# Altium PCB Holberton.PcbDoc (part 1 of 6) (continued)
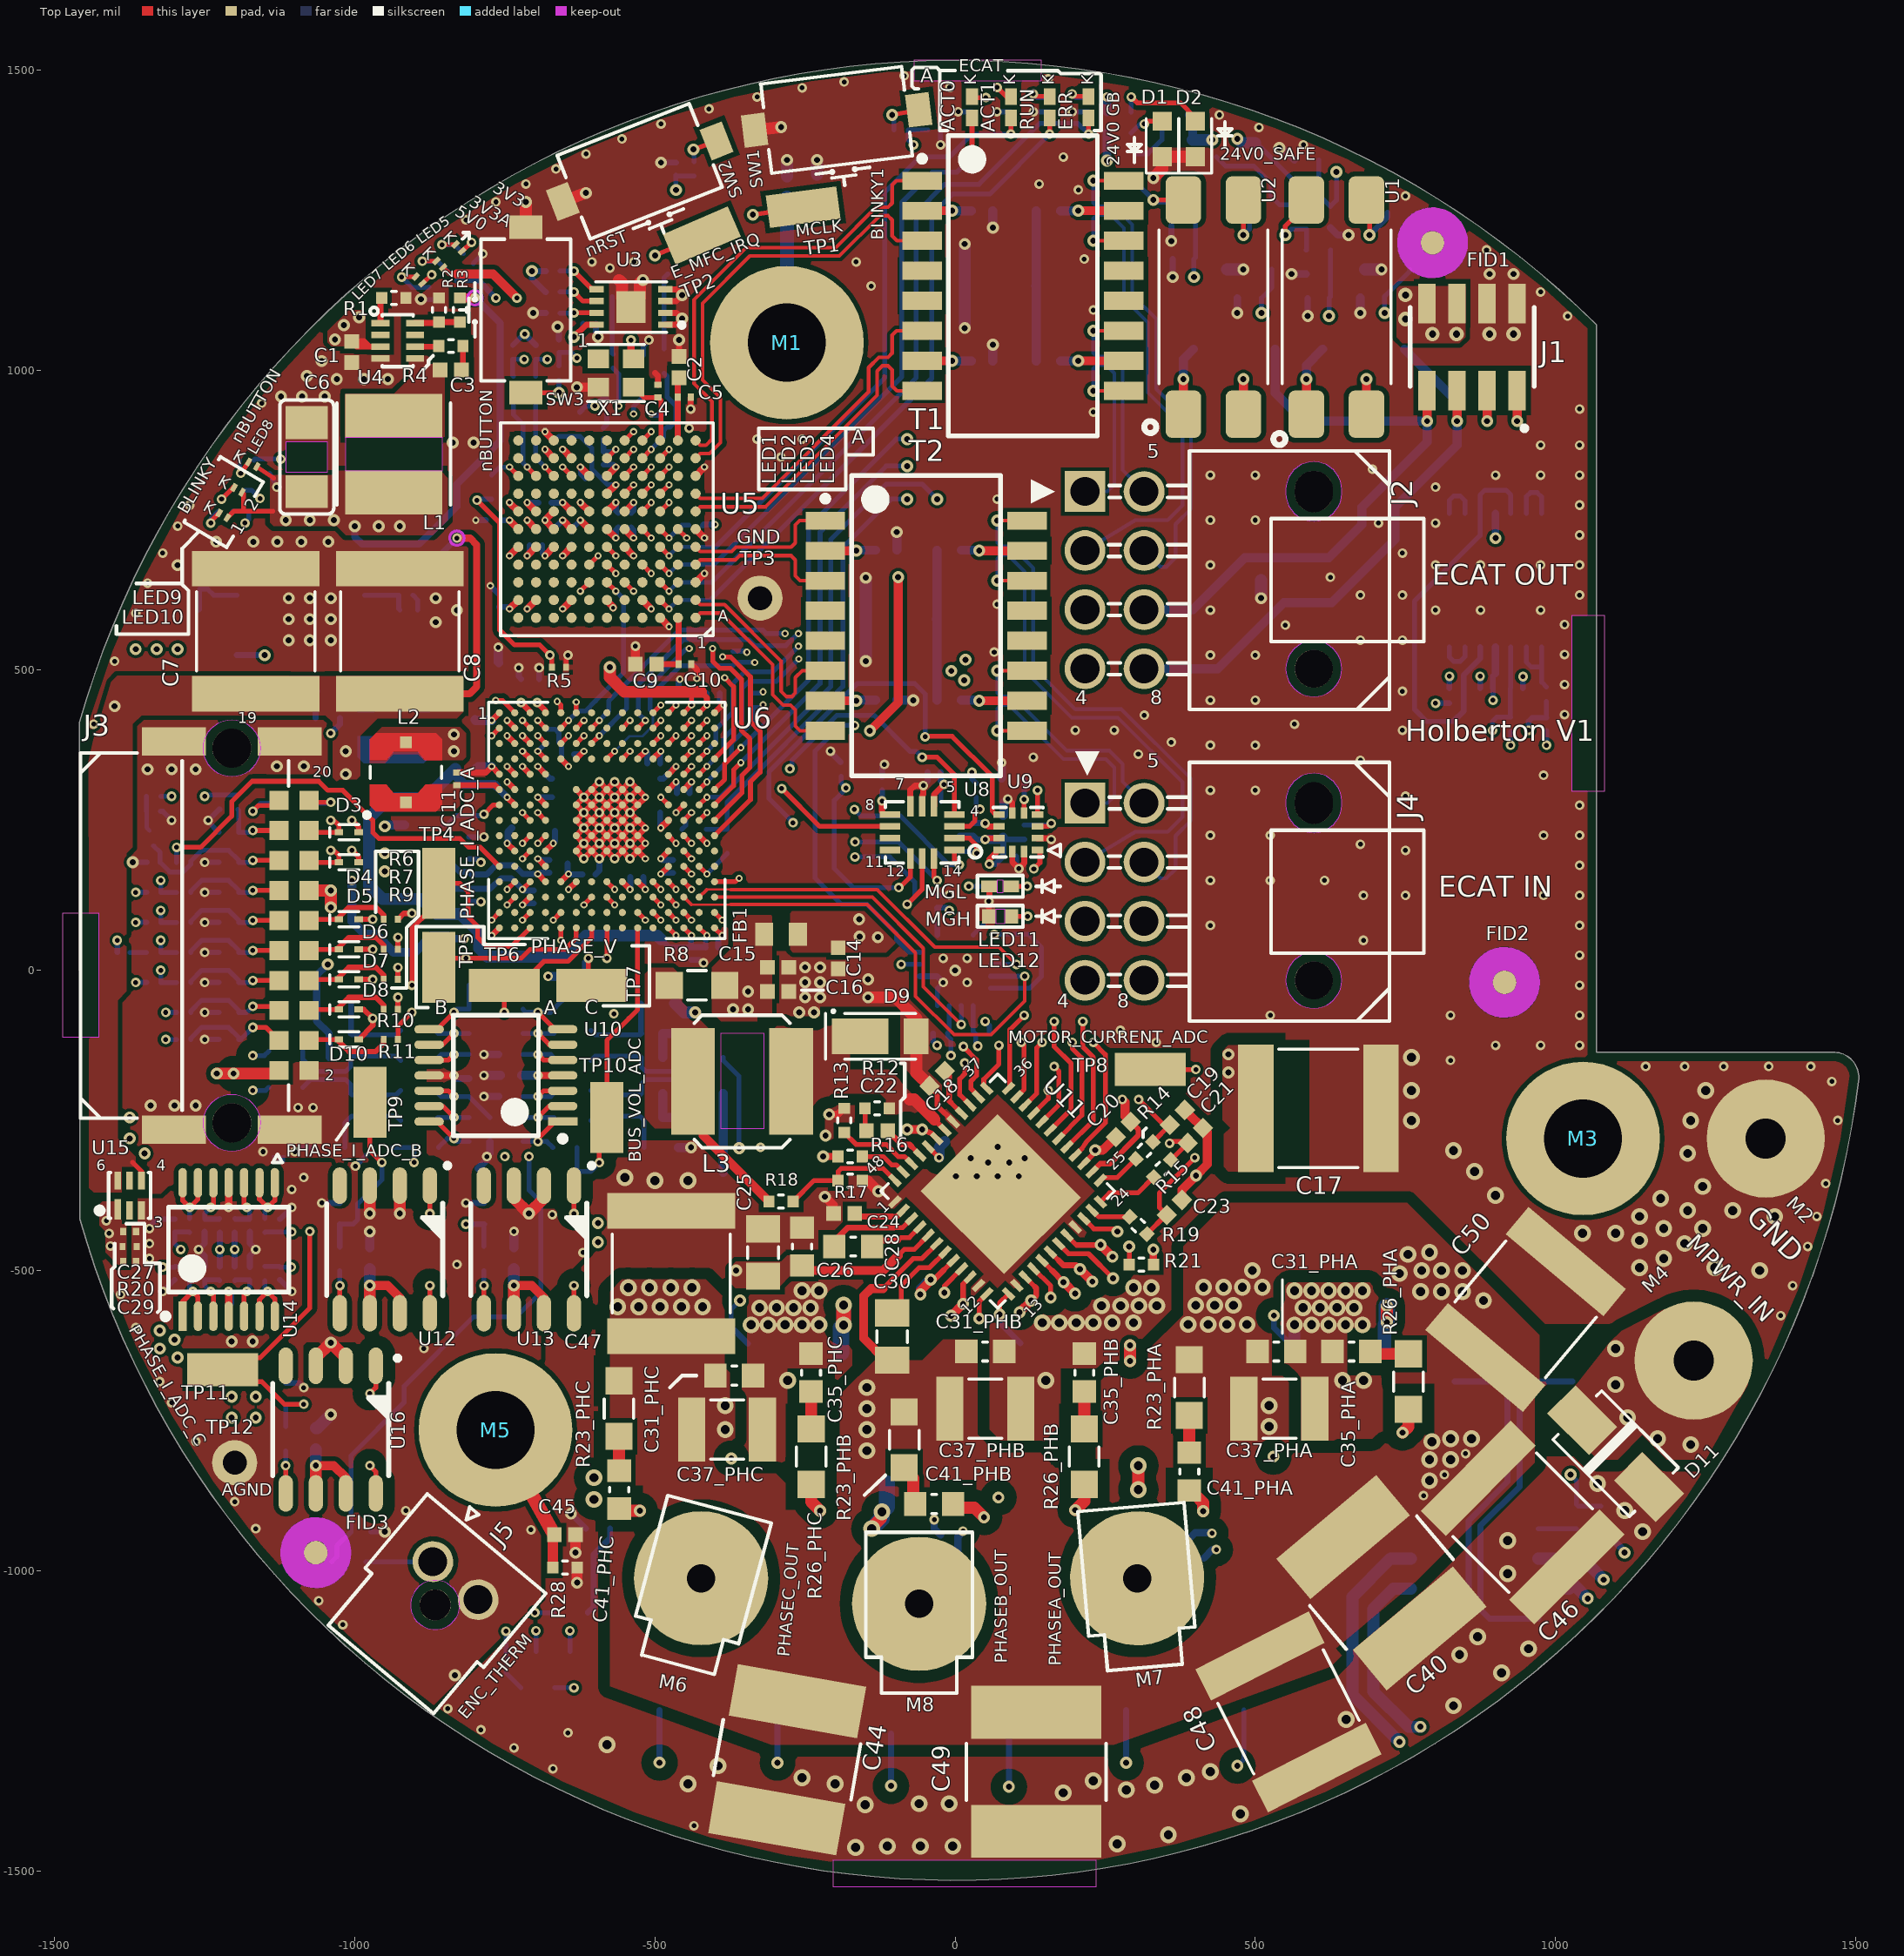
[diagram p0: Top Layer view]
## Classes and differential pairs
component class "Components Class6": C22 C24 C28 C149 C150 R16 R17 R18
component class "Components Class5": C134 C136 C138 C140 C141 C143 C147 R132 R134 R142 TP10
component class "Components Class4": C134 C136 C138 C140 C141 C143 C147 R127 R129 R132 R134 R137 TP10
component class "Components Class3": C134 C136 C138 C140 C141 C143 C147 R127 R128 R129 R132 R136 R137 R139 R140 R141 R144 TP10
component class "Components Class2": C134 C136 C138 C141 C143 C147
component class "Room Definition2": U5
component class "Components Class1": C22 C149 C150 C157 R106 R111 R119
component class "Room Definition1": U6
differential pair class 100Ohm: ECAT_R0 ECAT_R1 ECAT_T0 ECAT_T1 ECATPHY0_R ECATPHY0_T ECATPHY1_R ECATPHY1_T
net class SE100Ohm: ECAT_EEPROM_CLK ECAT_EEPROM_DATA
net class SE50Ohm: ECAT_PDI_CLK ECAT_PDI_MISO ECAT_PDI_MOSI
net class Diff100Ohm: ECAT_R0_N ECAT_R0_P ECAT_R1_N ECAT_R1_P ECAT_T0_N ECAT_T0_P ECAT_T1_N ECAT_T1_P ECATPHY0_R_N ECATPHY0_R_P ECATPHY0_T_N ECATPHY0_T_P ECATPHY1_R_N ECATPHY1_R_P ECATPHY1_T_N ECATPHY1_T_P
net class 24V: 24V0 NetC3_1 NetC3_2 NetC89_1 NetC89_2 NetR4_1 STO1 STO2
component class sto: C54 C56 C58 C65 C111 D1 D2 D3 Q1 Q2 Q3 Q4 Q5 R33 R34 R36 R37 R38 R39 R42 R43 R44 R46 R47 R51 R54 R55 R57 R58 R69 R70 R81 R86 R97 R147 R155 U1 U2
component class proc_support: C11 C62 C84 C87 C88 C92 C93 C95 C98 C99 C100 C103 C105 C106 C107 C108 C110 C111 C113 C114 C115 C116 C117 C118 C119 C121 C122 C124 C125 C128 C129 FB3 L2 L4
component class Mic: C126 R101 R104
component class mezz: C126 D24 FB5 J1 J2 J3 J5 LED11 LED12 R83 R101 R104 R122 R123 U19
component class mcu: C51 C52 C62 C77 C120 C131 C146 D3 D4 D5 D6 D7 D8 D10 D14 D15 D16 D17 D18 D19 D20 D21 D22 D23 D24 J3 LED5 LED8 LED9 LED10 Q5 R4 R5 R6 R7 R9 R10 R11 R35 R40 R61 R62 R67 R68 R70 R71 R72 R80 R88 R91 R92 R93 R94 R95 R97 R98 R100 R101 R102 R103 R105 R106 R108 R109 R110 R111 R119 R124 R153 SW1 SW2 SW3 U6
component class Holberton_Child: C14 C15 C116 C161 C162 C168 C169 C170 D11 D21 FB1 FB2 FB3 FB4 FB6 FB7 FB8 M2 M4 M6 M7 M8 PCB1_1 RT1 RT2 RT3
component class feedback: C127 C132 C134 C135 C136 C137 C138 C139 C140 C141 C142 C143 C144 C147 C148 C151 C152 C153 C154 C159 C160 C171 C172 R112 R114 R115 R116 R117 R118 R120 R121 R125 R126 R127 R128 R129 R130 R131 R132 R133 R134 R136 R137 R138 R139 R140 R141 R142 R143 R144 R145 R151 R152 R158 R160 R161 R162 TP4 TP5 TP6 TP7 TP9 TP10 TP11 U10 U12 U13 U16
component class driver: C3 C7 C16 C17 C18 C19 C20 C21 C22 C23 C24 C25 C26 C28 C30 C40 C44 C46 C47 C48 C49 C50 C85 C90 C101 C108 C145 C149 C150 C157 C165 C173 C174 D9 L3 R7 R8 R9 R11 R12 R13 R14 R15 R16 R17 R18 R19 R21 R88 R106 R110 R111 R119 R157 R159 TP8 U11 U20
component class Accelerometer: C45 C77 C102 C103 C104 C109 C112 C116 C123 C131 C167 R89 R91 R96 R99 U8 U9 U15
channel class HBridge: PHA PHB PHC
net class HV: MPWR MPWR_IN NetC35_PHA_2 NetC35_PHB_2 NetC35_PHC_2 NetC41_PHA_2 NetC41_PHB_2 NetC41_PHC_2 NetC141_2
net class HVSW: BST GD_CPH GD_CPL GD_VCP GHA GHB GHC NetC22_2 NetC136_1 NetC137_1 NetC142_2 PHASEA PHASEA_OUT PHASEB PHASEB_OUT PHASEC PHASEC_OUT SW
component class power: C1 C3 C6 C7 C8 C27 C29 C65 C68 C69 C77 C82 C83 C85 C86 C89 C93 C94 C97 C101 C111 C114 C115 C119 C122 C124 C125 C146 D3 D13 D22 L1 L4 LED5 LED6 LED7 NT1 R1 R2 R3 R4 R7 R20 R31 R41 R48 R49 R52 R53 R75 R76 R77 R78 R79 R83 R85 R86 R89 R104 R108 R122 R135 R146 U4 U5 U14 U15 U18
component class PHC: C31_PHC C35_PHC C37_PHC C41_PHC C98 C122 NT3_PHC Q8_PHC Q11_PHC R6 R23_PHC R26_PHC R93
component class PHB: C31_PHB C35_PHB C37_PHB C41_PHB C59 C71 C74 NT3_PHB Q8_PHB Q11_PHB R23_PHB R26_PHB R100 R109
component class PHA: C31_PHA C35_PHA C37_PHA C41_PHA C76 C81 NT3_PHA Q8_PHA Q11_PHA R23_PHA R26_PHA R102
component class ecat_conn: C6 C55 C57 C64 C79 C80 C94 C100 C105 C111 C118 C119 D12 D20 J2 J4 R45 R60 R61 R74 R84 T1 T2
component class ecat: C2 C3 C4 C5 C6 C7 C8 C9 C10 C27 C45 C59 C63 C65 C66 C67 C70 C71 C72 C73 C74 C75 C76 C77 C78 C81 C85 C86 C93 C94 C98 C100 C101 C103 C105 C108 C111 C114 C119 C122 C123 C131 C146 FB2 LED1 LED2 LED3 LED4 LED8 Q6 R1 R22 R24 R25 R27 R29 R30 R31 R32 R45 R50 R53 R56 R59 R60 R63 R64 R65 R66 R68 R69 R72 R73 R81 R83 R91 R92 R93 R95 R97 R98 R100 R101 R109 R147 R148 R149 R150 R153 R154 R155 R156 R163 TP1 TP2 TP3 TP12 U3 U5 U6 U14 U17 X1
component class temp: C9 C10 C45 C59 C63 C74 C76 C90 C91 C96 C100 C105 C114 C116 C120 C122 C123 C125 C131 C155 C156 C157 C158 C163 C164 C165 C166 C167 D22 R6 R9 R11 R41 R69 R81 R82 R85 R87 R88 R103 R105 R108 R110 R111 R119 R124 R147 R148 R149 R150 R153 R154 R155 R156 U14 U15 U17
component class 1-Holberton_TOP: C45 C53 C77 C108 C116 C118 C119 C123 C131 C146 D24 FB3 FB5 FID1 FID2 FID3 FID4 FID5 FID6 J3 M1 M3 M5 PCB100 R1 R28 R41 R60 R61 R92 R135 TP3 TP12
differential pair ECATPHY1_T: +ECATPHY1_T_P -ECATPHY1_T_N
differential pair ECATPHY1_R: +ECATPHY1_R_P -ECATPHY1_R_N
differential pair ECATPHY0_T: +ECATPHY0_T_P -ECATPHY0_T_N
differential pair ECATPHY0_R: +ECATPHY0_R_P -ECATPHY0_R_N
differential pair ECAT_T1: +ECAT_T1_P -ECAT_T1_N
differential pair ECAT_T0: +ECAT_T0_P -ECAT_T0_N
differential pair ECAT_R1: +ECAT_R1_P -ECAT_R1_N
differential pair ECAT_R0: +ECAT_R0_P -ECAT_R0_N

## Components (designator, comment, footprint, x,y, rotation, side; value= is the part's Value field where it differs from the comment)
C1 "__Template_Cap" C0402 -1005,1029.99 r270 top value=0.1UF
C2 "__Template_Cap" C0402 -460.01,1005 r90 top value=10UF
C3 "__Template_Cap" C0402 -840.01,999.99 r180 top value=0.1UF
C4 "__Template_Cap" C0201 -495.01,965 r90 top value=15PF
C5 "__Template_Cap_Auto" C0201 -451.26,955 r0 top value=0.1UF
C6 "22uF" C1206 -1080,855 r90 top
C7 "__Template_Cap_Auto" C2220 -1164.99,564.99 r90 top value=47uF
C8 "__Template_Cap_Auto" C2220 -924.99,564.99 r90 top value=47uF
C9 "__Template_Cap" C0402 -515,510 r0 top value=10UF
C10 "__Template_Cap_Auto" C0201 -450,509.99 r180 top value=0.1UF
C11 "__Template_Cap" C0201 -830.01,319 r90 top value=220PF
C14 "__Template_Cap" C0402 -195,19.99 r270 top value=0.1UF
C15 "__Template_Cap" C0402 -295,5 r0 top value=0.1UF
C16 "__Template_Cap" C0402 -295,-35 r0 top value=0.1UF
C17 "__Template_Cap" C2220 604.99,-230.01 r0 top value=15uF
C18 "__Template_Cap" C0402 -30,-180 r225 top value=1UF
C19 "__Template_Cap" C0402 370,-244.99 r45 top value=0.01UF
C20 "__Template_Cap" C0402 280,-265 r225 top value=0.1UF
C21 "__Template_Cap" C0402 400,-274.99 r45 top value=0.01UF
C22 "__Template_Cap" C0402 -130.01,-267 r180 top value=0.01UF
C23 "__Template_Cap" C0402 365,-394.99 r45 top value=0.01UF
C24 "__Template_Cap" C0402 -185.01,-405 r180 top value=1UF
C25 "__Template_Cap_Auto" C0805 -320,-470 r90 top value=1UF
C26 "__Template_Cap_Auto" C0603 -255,-460 r90 top value=0.1UF
C27 "__Template_Cap" C0201 -1375,-435 r0 top value=1UF
C28 "__Template_Cap" C0603 -170,-460 r180 top value=0.047µF
C29 "__Template_Cap_Auto" C0201 -1375,-485 r0 top value=0.1UF
C30 "__Template_Cap_Auto" C0805 -105,-610 r90 top value=1UF
C31_PHA "__Template_Cap_Auto" C0603 535.01,-635 r0 top value=0.1UF (schematic designator C31)
C31_PHB "__Template_Cap_Auto" C0603 50.01,-635 r0 top value=0.1UF (schematic designator C31)
C31_PHC "__Template_Cap_Auto" C0603 -367.99,-675 r0 top value=0.1UF (schematic designator C31)
C35_PHA "2.2nF" C0603 660.01,-635 r0 top (schematic designator C35)
C35_PHB "2.2nF" C0603 215,-670.01 r270 top (schematic designator C35)
C35_PHC "2.2nF" C0603 -240,-670.01 r270 top (schematic designator C35)
C37_PHA "4.7UF" C1210 539.99,-730.01 r0 top (schematic designator C37)
C37_PHB "4.7UF" C1210 49.99,-730.01 r0 top (schematic designator C37)
C37_PHC "4.7UF" C1210 -380.01,-765.01 r0 top (schematic designator C37)
C40 "__Template_Cap" CAP_CKG57NX7S2A226M500JJ 710,-1020 r310 top value=22uF
C41_PHA "1nF" C0603 390,-834.99 r90 top (schematic designator C41)
C41_PHB "1nF" C0603 -35,-889 r180 top (schematic designator C41)
C41_PHC "1nF" C0603 -559.5,-865 r90 top (schematic designator C41)
C44 "__Template_Cap" CAP_CKG57NX7S2A226M500JJ -280,-1315 r260 top value=22uF
C45 "__Template_Cap" C0402 -650,-940 r0 top value=0.01UF
C46 "__Template_Cap" C2220 945,-920 r315 top value=15uF
C47 "__Template_Cap" C2220 -473,-505 r90 top value=15uF
C48 "__Template_Cap" C2220 555,-1235 r297 top value=15uF
C49 "__Template_Cap" CAP_CKG57NX7S2A226M500JJ 135,-1335 r270 top value=22uF
C50 "__Template_Cap" C2220 950,-565 r50 top value=15uF
C51 "__Template_Cap_Auto" C0201 -35,1400 r0 bottom value=0.1UF
C52 "__Template_Cap_Auto" C0201 -465,1335 r90 bottom value=0.1UF
C53 "__Template_Cap" C0402 -280,1305 r90 bottom value=0.01UF
C54 "__Template_Cap" C0402 625,1254.99 r270 bottom value=0.1UF
C55 "__Template_Cap" C0402 45,1264.99 r0 bottom value=0.01UF
C56 "__Template_Cap" C0402 379.99,1185 r180 bottom value=0.01UF
C57 "__Template_Cap_Auto" C1210 75.01,1139.99 r180 bottom value=1nF
C58 "__Template_Cap" C0402 604.99,1120 r180 bottom value=0.01UF
C59 "__Template_Cap" C0201 -609.09,1076.96 r0 bottom value=0.01UF
C62 "__Template_Cap_Auto" C0201 -660,1040 r90 bottom value=0.1UF
C63 "__Template_Cap_Auto" C0201 -530,1025 r0 bottom value=0.1UF
C64 "__Template_Cap" C0402 45,1014.99 r0 bottom value=0.01UF
C65 "22uF" C1206 -1070.01,855 r90 bottom
C66 "__Template_Cap" C0201 -475,890 r0 bottom value=0.01UF
C67 "__Template_Cap_Auto" C0201 -585.91,853.12 r270 bottom value=0.1UF
C68 "__Template_Cap_Auto" C0201 -975,850 r90 bottom value=0.1UF
C69 "__Template_Cap" C0201 -1000,850 r90 bottom value=0.01UF
C70 "__Template_Cap_Auto" C0201 -616.3,808.82 r270 bottom value=0.1UF
C71 "__Template_Cap_Auto" C0201 -683.36,779.29 r180 bottom value=0.1UF
C72 "__Template_Cap_Auto" C0201 -550.47,761.99 r180 bottom value=0.1UF
C73 "__Template_Cap_Auto" C0201 -770.99,749.76 r0 bottom value=0.1UF
C74 "__Template_Cap_Auto" C0201 -550.47,737.55 r180 bottom value=0.1UF
C75 "__Template_Cap_Auto" C0201 -683.36,733 r180 bottom value=0.1UF
C76 "__Template_Cap_Auto" C0201 -639.06,720.23 r90 bottom value=0.1UF
C77 "__Template_Cap" C0402 -1265,692.72 r90 bottom value=15nF
C78 "__Template_Cap_Auto" C0201 -698.12,708.42 r180 bottom value=0.1UF
C79 "__Template_Cap" C0402 -115,699.99 r0 bottom value=0.01UF
C80 "__Template_Cap_Auto" C1210 -89.99,584.99 r180 bottom value=1nF
C81 "__Template_Cap_Auto" C0201 -760.13,616.02 r270 bottom value=0.1UF
C82 "__Template_Cap" C0201 -895.01,590 r270 bottom value=3.3nF
C83 "__Template_Cap" C0201 -925.01,590 r270 bottom value=3.3pF
C84 "__Template_Cap" C0402 -760,495 r90 bottom value=10UF
C85 "__Template_Cap" C1210 -1329.99,435.01 r270 bottom value=10uF
C86 "__Template_Cap" C0402 -1220,479.99 r0 bottom value=0.1UF
C87 "__Template_Cap" C0201 -693,475 r90 bottom value=2.2UF
C88 "__Template_Cap_Auto" C0201 -723,475 r90 bottom value=0.1UF
C89 "__Template_Cap" C0402 -1045,464.99 r0 bottom value=0.1UF
C90 "__Template_Cap_Auto" C0201 935,470 r0 bottom value=0.1UF
C91 "__Template_Cap_Auto" C0201 885,470 r180 bottom value=0.1UF
C92 "__Template_Cap_Auto" C0201 -450,462 r180 bottom value=0.1UF
C93 "__Template_Cap_Auto" C0201 -403,461.99 r0 bottom value=0.1UF
C94 "__Template_Cap" C0402 -115,449.99 r0 bottom value=0.01UF
C95 "__Template_Cap" C0402 -800.01,399.99 r270 bottom value=10UF
C96 "__Template_Cap_Auto" C0201 985,410 r270 bottom value=0.1UF
C97 "__Template_Cap" C0201 -1050,360 r180 bottom value=0.01UF
C98 "__Template_Cap_Auto" C0201 -645,360 r0 bottom value=0.1UF
C99 "__Template_Cap" C0402 -815.01,337 r180 bottom value=10UF
C100 "__Template_Cap_Auto" C0201 -502.12,344.85 r180 bottom value=0.1UF
C101 "__Template_Cap_Auto" C0201 -1050,335 r180 bottom value=0.1UF
C102 "__Template_Cap_Auto" C0201 -35,330 r180 bottom value=0.1UF
C103 "__Template_Cap" C0402 94.99,320 r180 bottom value=220nF
C104 "__Template_Cap_Auto" C0201 -121.95,310.8 r90 bottom value=0.1UF
C105 "__Template_Cap_Auto" C0201 -502.12,319.26 r180 bottom value=0.1UF
C106 "__Template_Cap_Auto" C0201 -660.78,319.25 r0 bottom value=0.1UF
C107 "__Template_Cap" C0201 -453,295 r180 bottom value=100PF
C108 "__Template_Cap_Auto" C0201 -660.78,288.54 r0 bottom value=0.1UF
C109 "__Template_Cap" C0402 80,240 r90 bottom value=10UF
C110 "__Template_Cap" C0402 -810,239.99 r270 bottom value=4.7UF
C111 "__Template_Cap_Auto" C0201 -502.12,262.96 r180 bottom value=0.1UF
C112 "__Template_Cap_Auto" C0201 30,235 r90 bottom value=0.1UF
C113 "__Template_Cap" C0402 -721.01,237 r180 bottom value=10UF
C114 "__Template_Cap_Auto" C0201 -655.78,232.25 r0 bottom value=0.1UF
C115 "__Template_Cap_Auto" C0201 -645.42,188.75 r90 bottom value=0.1UF
C116 "__Template_Cap_Auto" C0201 91,190 r0 bottom value=0.1UF
C117 "__Template_Cap_Auto" C0201 -810,175 r90 bottom value=0.1UF
C118 "__Template_Cap" C0201 -676.13,173.39 r90 bottom value=1UF
C119 "__Template_Cap_Auto" C0201 -470,173 r90 bottom value=0.1UF
C120 "__Template_Cap_Auto" C0201 -1335,180 r180 bottom value=0.1UF
C121 "__Template_Cap" C0201 -610,160 r0 bottom value=0.01UF
C122 "__Template_Cap_Auto" C0201 -530.27,155.48 r0 bottom value=0.1UF
C123 "__Template_Cap" C0402 -41.28,281 r180 bottom value=10UF
C124 "__Template_Cap" C0201 -810,125 r270 bottom value=0.01UF
C125 "__Template_Cap" C0201 -701.73,122.21 r270 bottom value=1UF
C126 "__Template_Cap" C0201 -30,115 r270 bottom value=1UF
C127 "__Template_Cap" C0402 -845,40 r90 bottom value=0.01UF
C128 "__Template_Cap" C0201 -440,28 r270 bottom value=2.2UF
C129 "__Template_Cap_Auto" C0201 -405,37.99 r0 bottom value=0.1UF
C131 "__Template_Cap" C0201 -1385,30 r180 bottom value=100PF
C132 "__Template_Cap" C0402 -635.01,-10 r180 bottom value=0.01UF
C134 "__Template_Cap" C0402 -505,-105 r0 bottom value=47pF
C135 "__Template_Cap" C0402 -1025.01,-105 r180 bottom value=47pF
C136 "__Template_Cap" C0402 -565,-125 r90 bottom value=47pF
C137 "__Template_Cap" C0402 -965,-125 r90 bottom value=47pF
C138 "__Template_Cap" C0402 -505.01,-145 r180 bottom value=47pF
C139 "__Template_Cap" C0402 -1025,-145 r0 bottom value=47pF
C140 "__Template_Cap" C0402 -740.01,-175 r180 bottom value=0.1UF
C141 "__Template_Cap" C0402 -505.01,-205 r180 bottom value=47pF
C142 "__Template_Cap" C0402 -1025,-205 r0 bottom value=47pF
C143 "__Template_Cap" C0402 -565,-225.01 r270 bottom value=47pF
C144 "__Template_Cap" C0402 -965,-225.01 r270 bottom value=47pF
C145 "__Template_Cap_Auto" C0603 -145.01,-240 r180 bottom value=0.1UF
C146 "__Template_Cap" C0402 834.99,-245 r180 bottom value=0.01UF
C147 "__Template_Cap" C0402 -505,-245 r0 bottom value=47pF
C148 "__Template_Cap" C0402 -1025.01,-245 r180 bottom value=47pF
C149 "__Template_Cap" C0402 0.72,-285 r0 bottom value=1UF
C150 "__Template_Cap_Auto" C0805 -138.37,-311 r180 bottom value=1UF
C151 "__Template_Cap" C0402 -955.01,-295 r180 bottom value=0.01UF
C152 "__Template_Cap" C0402 -650.01,-335 r180 bottom value=0.1UF
C153 "__Template_Cap" C0402 -785,-405 r90 bottom value=0.01UF
C154 "__Template_Cap" C0402 -1025,-405 r90 bottom value=0.01UF
C155 "__Template_Cap_Auto" C0201 -1125,-425 r90 bottom value=0.1UF
C156 "__Template_Cap_Auto" C0201 -1175,-425 r270 bottom value=0.1UF
C157 "__Template_Cap_Auto" C0201 -1250,-425 r270 bottom value=0.1UF
C158 "__Template_Cap_Auto" C0201 -1300,-425 r90 bottom value=0.1UF
C159 "__Template_Cap" C0402 -735,-480 r90 bottom value=0.1UF
C160 "__Template_Cap" C0402 -975,-480 r90 bottom value=0.1UF
C161 "__Template_Cap_Auto" C0805 1084.99,-520 r90 bottom value=1UF
C162 "__Template_Cap_Auto" C0805 1004.99,-520 r90 bottom value=1UF
C163 "__Template_Cap_Auto" C0201 -1125,-505 r270 bottom value=0.1UF
C164 "__Template_Cap_Auto" C0201 -1175,-505 r90 bottom value=0.1UF
C165 "__Template_Cap_Auto" C0201 -1250,-505 r90 bottom value=0.1UF
C166 "__Template_Cap_Auto" C0201 -1300,-505 r270 bottom value=0.1UF
C167 "__Template_Cap_Auto" C0201 -1195,-555 r0 bottom value=0.1UF
C168 "__Template_Cap" C0402 -1230,-590 r0 bottom value=0.1UF
C169 "__Template_Cap" C0402 -1165,-665 r90 bottom value=1UF
C170 "__Template_Cap" C0402 -1205,-665 r90 bottom value=0.1UF
C171 "__Template_Cap" C0402 -1115,-705 r90 bottom value=0.01UF
C172 "__Template_Cap" C0402 -1065,-780 r90 bottom value=0.1UF
C173 "__Template_Cap" C0402 1074.99,-910.01 r270 bottom value=0.1UF
C174 "__Template_Cap" C0402 1029.99,-1005 r270 bottom value=0.1UF
D1 "POWER" LEDSC160X80X90L40-GREEN 345,1385 r90 top value=Green
D2 "STO" LEDSC160X80X90L40-BLUE 400,1385 r90 top value=Blue
D3 "3.3V" SOD1060X40 -1010,230 r0 top value=ESD9R3.3ST5G
D4 "3.3V" SOD1060X40 -1010,180 r0 top value=ESD9R3.3ST5G
D5 "3.3V" SOD1060X40 -1010,85 r0 top value=ESD9R3.3ST5G
D6 "3.3V" SOD1060X40 -1010,35 r0 top value=ESD9R3.3ST5G
D7 "3.3V" SOD1060X40 -1010,-15 r0 top value=ESD9R3.3ST5G
D8 "3.3V" SOD1060X40 -1010,-65 r0 top value=ESD9R3.3ST5G
D9 "__Template_Diode_Schottky_A/K" POWERDI123_DFLS1100-7 -125.01,-110 r180 top value=DFLR1400-7
D10 "3.3V" SOD1060X40 -1010,-115 r0 top value=ESD9R3.3ST5G
D11 "__Template_Diode_TVS_A/K" SMA_B130-13-F 1100,-805 r315 top value=SMAT70A-13-F
D12 "24V" 3SOT23 550,649.99 r180 bottom value=ESD24VS2UE6327HTSA1
D13 "__Template_DIODE_SCHOTTKY" SOD-123_H1.35MM -820.01,574.99 r90 bottom value=B130LAW-7-F
D14 "3.3V" SOD1060X40 -1080,295 r90 bottom value=ESD9R3.3ST5G
D15 "3.3V" SOD1060X40 -1130,295 r90 bottom value=ESD9R3.3ST5G
D16 "3.3V" SOD1060X40 -1210.01,230 r180 bottom value=ESD9R3.3ST5G
D17 "3.3V" SOD1060X40 -1210.01,180 r180 bottom value=ESD9R3.3ST5G
D18 "3.3V" SOD1060X40 -1210.01,130 r180 bottom value=ESD9R3.3ST5G
D19 "3.3V" SOD1060X40 -1210.01,80 r180 bottom value=ESD9R3.3ST5G
D20 "3.3V" SOD1060X40 -1210.01,30 r180 bottom value=ESD9R3.3ST5G
D21 "3.3V" SOD1060X40 -1210.01,-20 r180 bottom value=ESD9R3.3ST5G
D22 "3.3V" SOD1060X40 -1210.01,-70 r180 bottom value=ESD9R3.3ST5G
D23 "3.3V" SOD1060X40 -1210.01,-115 r180 bottom value=ESD9R3.3ST5G
D24 "3.3V" SOD1060X40 -990,-935 r0 bottom value=ESD9R3.3ST5G
FB1 "LAIRD MI0603L221R-10" INDC160X80X105L30N -290,60 r180 top value="220 Ohms @ 100 MHz"
FB2 "__Template_Ferrite_Bead" L0201_H0.33MM -585.91,894.47 r270 bottom value="600 Ohms"
FB3 "FB_ARRAY_BLA31AG221SN4D" FB_ARRAY_BLA31AG221SN4D -884.99,194.99 r180 bottom value="220 OHM"
FB4 "LAIRD MI0603L221R-10" INDC160X80X105L30N -1255,-670 r270 bottom value="220 Ohms @ 100 MHz"
FB5 "LAIRD MI0603L221R-10" INDC160X80X105L30N -1010,-985 r0 bottom value="220 Ohms @ 100 MHz"
FB6 "LAIRD MI0603L221R-10" INDC160X80X105L30N -640,-1070 r180 bottom value="220 Ohms @ 100 MHz"
FB7 "LAIRD MI0603L221R-10" INDC160X80X105L30N -670,-1135 r180 bottom value="220 Ohms @ 100 MHz"
FB8 "LAIRD MI0603L221R-10" INDC160X80X105L30N -695,-1195 r180 bottom value="220 Ohms @ 100 MHz"
FID1 "FIDUCIAL" FIDUCIAL_1MM 795,1212 r90 top
FID2 "FIDUCIAL" FIDUCIAL_1MM 915,-20 r90 top
FID3 "FIDUCIAL" FIDUCIAL_1MM -1065,-970 r0 top
FID4 "FIDUCIAL" FIDUCIAL_1MM 980,995 r90 bottom
FID5 "FIDUCIAL" FIDUCIAL_1MM -1395,-110 r90 bottom
FID6 "FIDUCIAL" FIDUCIAL_1MM 775,-1175 r90 bottom
J1 "SAMTEC_FLE-104-01-G-DV-TR" SAMTEC_FLE-104-01-G-DV-TR 860.98,1038.39 r180 top value=FLE-104-01-G-DV
J2 "MOLEX_2X4_NANOFIT_1053141308" MOLEX_1053141308 216.13,797.72 r90 top value=1053141308
J3 "M55-7102042R" CON_M55-7102042R -1283.59,58.08 r270 top
J4 "MOLEX_2X4_NANOFIT_1053141308" MOLEX_1053141308 216.13,278.72 r90 top value=1053141308
J5 "DNP" "MOLEX 1053092302" -870,-985 r320 top value="Molex 1053092302"
L1 "4.7uH" IND_78438357047 -935,860 r270 top
L2 "__Template_Inductor" IND_LPS3015-152MRB -915.08,329.92 r90 top value=2.2uH
L3 "__Template_Inductor" IND_74404054221 -355,-185 r180 top value="220 uH"
L4 "COILCRAFT_LPS3015-473" COILCRAFT_LPS3015-473 -935,410 r270 bottom value=47uH
LED1 "__Template_LED_GREEN_AK" LED_APHHS1005LCGCK 28.03,1438 r270 top value=APHHS1005LCGCK
LED2 "__Template_LED_GREEN_AK" LED_APHHS1005LCGCK 92.71,1438 r270 top value=APHHS1005LCGCK
LED3 "__Template_LED_GREEN_AK" LED_APHHS1005LCGCK 157.39,1438 r270 top value=APHHS1005LCGCK
LED4 "__Template_LED_RED_AK" LED_APHHS1005LCGCK 222.07,1438 r270 top value=APHHS1005LSECK/J3-PF
LED5 "__Template_LED_ORANGE_AK" LED_APG0603SYC-TT -826.7,1203.7 r315 top value=APG0603SEC-TT
LED6 "__Template_LED_ORANGE_AK" LED_APG0603SYC-TT -858.35,1176.35 r315 top value=APG0603SEC-TT
LED7 "__Template_LED_YELLOW_AK" LED_APG0603SYC-TT -892.92,1149.92 r315 top value=APG0603SYC-TT
LED8 "__Template_LED_ORANGE_AK" LED_APG0603SYC-TT -1170,843 r330 top value=APG0603SEC-TT
LED9 "__Template_LED_ORANGE_AK" LED_APG0603SYC-TT -1194.57,800.44 r330 top value=APG0603SEC-TT
LED10 "__Template_LED_YELLOW_AK" LED_APG0603SYC-TT -1219.14,757.89 r330 top value=APG0603SYC-TT
LED11 "APHHS1005SURCK" LED_APHHS1005SURCK 75,140 r0 top
LED12 "SML-P11DTT86R" LED_SML-P11DTT86R 75,90 r0 top
M1 "3.7mm hole 5mm pad" 3.7hole5pad -280.22,1045.79 r0 top locked net-tie
M2 "1.7mm hole 5mm pad" 1.7hole5padRD 1350,-280.22 r225 top
M3 "3.7mm hole 5mm pad" 3.7hole5pad 1045.79,-280.22 r0 top locked net-tie
M4 "1.7mm hole 5mm pad" 1.7hole5padRD 1230,-650 r315 top
M5 "3.7mm hole 5mm pad" 3.7hole5pad -765.57,-765.57 r90 top locked net-tie
M6 "KEYSTONE_8737" KEYSTONE_8737 -423.28,-1012.64 r75 top value=8737
M7 "KEYSTONE_8737" KEYSTONE_8737 303.09,-1012.64 r95 top value=8737
M8 "KEYSTONE_8737" KEYSTONE_8737 -60.1,-1055.07 r90 top value=8737
NT1 "_Template_NETTIE" NETTIE_0402 -1127,-315 r270 bottom net-tie
NT3_PHA "Mechanical Feature NET_TIE_10MIL" NETTIE_10MIL 530.86,-595.86 r225 bottom net-tie (schematic designator NT3)
NT3_PHB "Mechanical Feature NET_TIE_10MIL" NETTIE_10MIL 80.1,-592.66 r225 bottom net-tie (schematic designator NT3)
NT3_PHC "Mechanical Feature NET_TIE_10MIL" NETTIE_10MIL -373.45,-593.66 r225 bottom net-tie (schematic designator NT3)
Q1 "PFET_RSF010P05TL" TUMT3 370,1349.99 r0 bottom value=RSF010P05TL
Q2 "PFET_RSF010P05TL" TUMT3 500,1345 r180 bottom value=RSF010P05TL
Q3 "ONSEMI BSS123" SOT23-3P95_240X110L43N 720,1215 r90 bottom value=BSS119NH6327XTSA1
Q4 "ONSEMI BSS123" SOT23-3P95_240X110L43N 490,1215 r90 bottom value=BSS119NH6327XTSA1
Q5 "NFET_DMN3900UFA" 3XDFN -1335,220 r270 bottom value=DMN3900UFA-7B
Q6 "Bipolar NPN 3 Pins Transistor Gummel-Poon Model" SOT23-3 -525,1160 r0 bottom value=MMBT3904
Q8_PHA "TI CSD19532Q5B" TI_SON5X6 639.93,-746 r270 bottom value=CSD19532Q5BT (schematic designator Q8)
Q8_PHB "TI CSD19532Q5B" TI_SON5X6 187.38,-746 r270 bottom value=CSD19532Q5BT (schematic designator Q8)
Q8_PHC "TI CSD19532Q5B" TI_SON5X6 -265.17,-746 r270 bottom value=CSD19532Q5BT (schematic designator Q8)
Q11_PHA "TI CSD19532Q5B" TI_SON5X6 413.66,-745.99 r90 bottom value=CSD19532Q5BT (schematic designator Q11)
Q11_PHB "TI CSD19532Q5B" TI_SON5X6 -38.89,-745.99 r90 bottom value=CSD19532Q5BT (schematic designator Q11)
Q11_PHC "TI CSD19532Q5B" TI_SON5X6 -491.44,-745.99 r90 bottom value=CSD19532Q5BT (schematic designator Q11)
R1 "0" R0402 -935,1119.99 r180 top
R2 "10K" R0402 -860,1100 r270 top
R3 "31.2K" R0402 -825.01,1100 r90 top
R4 "0" R0402 -840,1040 r0 top
R5 "__Template_Resistor" R0201 -660,505 r180 top value=10K
R6 "__Template_Resistor" R0201 -940,85 r0 top value=22.1
R7 "__Template_Resistor" R0201 -940,35 r0 top value=22.1
R8 "1.3" R0805 -430,-25 r0 top
R9 "__Template_Resistor" R0201 -940,-15 r0 top value=22.1
R10 "__Template_Resistor" R0201 -940,-65 r0 top value=22.1
R11 "__Template_Resistor" R0201 -940,-115 r0 top value=22.1
R12 "0" R0402 -130,-230 r0 top
R13 "133K" R0402 -185,-250.01 r270 top
R14 "100" R0402 315,-300 r225 top
R15 "100" R0402 345,-330 r225 top
R16 "432K" R0402 -175,-310 r0 top
R17 "1.15K" R0402 -175.01,-350 r180 top
R18 "10K" R0402 -290.01,-385 r180 top
R19 "100" R0402 305,-425 r135 top
R20 "__Template_Resistor" R0201 -1375,-460 r180 top value=10K
R21 "__Template_Thermistor" R0402 310.01,-490 r0 top value=10KOHM
R22 "0" R0402 -625,910 r270 bottom
R23_PHA "3.9R" R0805 390,-695 r90 top (schematic designator R23)
R23_PHB "3.9R" R0805 -85,-782 r90 top (schematic designator R23)
R23_PHC "3.9R" R0805 -560,-730 r90 top (schematic designator R23)
R24 "0" R0402 -660,910 r270 bottom
R25 "0" R0402 -485,1015 r90 bottom
R26_PHA "2.2R" R0805 754.99,-685 r270 top (schematic designator R26)
R26_PHB "2.2R" R0805 214.99,-810 r270 top (schematic designator R26)
R26_PHC "2.2R" R0805 -240.01,-810 r270 top (schematic designator R26)
R27 "__Template_Resistor" R0201 -570,1015 r270 bottom value=10K
R28 "432K" R0402 -650.01,-995 r180 top
R29 "__Template_Resistor" R0201 222.04,1442 r90 bottom value=1k
R30 "__Template_Resistor" R0201 157.36,1442 r90 bottom value=1k
R31 "__Template_Resistor" R0201 92.68,1442 r90 bottom value=1k
R32 "__Template_Resistor" R0201 28,1442 r90 bottom value=1k
R33 "PANASONIC ERJ2RKF8202X" R0402 272.99,1430 r180 bottom value=82k
R34 "10K" R0402 370,1425 r0 bottom
R35 "__Template_Resistor" R0201 -90,1400 r180 bottom value=22.1
R36 "PANASONIC ERJ2RKF1822X" R0402 272.99,1395 r180 bottom value=18.2k
R37 "10K" R0402 300,1340 r90 bottom
R38 "10K" R0402 435,1334.99 r270 bottom
R39 "6.19K" R0402 585,1350 r0 bottom
R40 "__Template_Resistor" R0201 -435,1335 r90 bottom value=300
R41 "432K" R0402 -230.01,1305 r270 bottom
R42 "56K" R0402 584.99,1315 r180 bottom
R43 "432K" R0402 380,1280 r180 bottom
R44 "10K" R0402 585,1255 r90 bottom
R45 "75" R0402 155,1264.99 r0 bottom
R46 "68.1K" R0402 380,1239.99 r0 bottom
R47 "432K" R0402 604.99,1200 r180 bottom
R48 "__Template_Resistor" R0201 -811,1186 r315 bottom value=1k
R49 "__Template_Resistor" R0201 -838,1157 r315 bottom value=1k
R50 "__Template_Resistor" R0201 -670,1165 r180 bottom value=1k
R51 "68.1K" R0402 605,1160 r0 bottom
R52 "__Template_Resistor" R0201 -868,1130 r315 bottom value=1k
R53 "__Template_Resistor" R0201 -670,1130 r180 bottom value=1k
R54 "10K" R0402 695,1120 r0 bottom
R55 "10K" R0402 490,1120 r0 bottom
R56 "__Template_Resistor" R0201 -670,1095 r0 bottom value=1k
R57 "8.2K" R1206 679.99,1035 r180 bottom
R58 "8.2K" R1206 465,1035 r0 bottom
R59 "2.2K" R0201 -698.5,1029.51 r90 bottom
R60 "2.2K" R0201 -735.55,1029.51 r90 bottom
R61 "75" R0402 155,1014.99 r0 bottom
R62 "__Template_Resistor" R0201 -660.01,995 r270 bottom value=22.1
R63 "0" R0402 -698.5,969.52 r90 bottom
R64 "0" R0402 -735.55,969.52 r90 bottom
R65 "1" R0201 -580,940 r270 bottom
R66 "__Template_Resistor" R0201 -477,925 r180 bottom value=10K
R67 "__Template_Resistor" R0201 -1140,840 r270 bottom value=10K
R68 "__Template_Resistor" R0201 -1180,850 r180 bottom value=300
R69 "0" R0402 -772.01,805 r270 bottom
R70 "__Template_Resistor" R0201 -1195,800 r0 bottom value=1k
R71 "__Template_Resistor" R0201 -1165,765 r0 bottom value=10K
R72 "__Template_Resistor" R0201 -1215,765 r0 bottom value=300
R73 "__Template_Resistor" R0201 -431.8,741.5 r0 bottom value=4.7K
R74 "75" R0402 -10,699.99 r0 bottom
R75 "10.2K" R0201 -915,690 r0 bottom
R76 "1.96K" R0201 -915,660.01 r180 bottom
R77 "__Template_Resistor" R0201 -1270,634.99 r0 bottom value=10K
R78 "86.6K" R0201 -915,625 r180 bottom
R79 "68.1K" R0402 -1280,600 r180 bottom
R80 "__Template_Resistor" R0201 -370.01,520 r90 bottom value=10K
R81 "__Template_Resistor" R0201 985,460 r270 bottom value=10K
R82 "__Template_Resistor" R0201 835,470 r0 bottom value=10K
R83 "__Template_Resistor" R0201 -337,450 r90 bottom value=10K
R84 "75" R0402 -10,449.99 r0 bottom
R85 "__Template_Resistor" R0201 835,445 r180 bottom value=10K
R86 "0" R0402 -1045,420 r180 bottom
R87 "__Template_Resistor" R0201 925,410 r270 bottom value=10K
R88 "__Template_Resistor" R0201 -679,390 r90 bottom value=10K
R89 "__Template_Resistor" R0201 -190.01,335 r270 bottom value=10K
R91 "__Template_Resistor" R0201 35,300 r90 bottom value=10K
R92 "__Template_Resistor" R0201 -1225,280 r90 bottom value=10K
R93 "__Template_Resistor" R0201 -1195,280 r270 bottom value=22.1
R94 "__Template_Resistor" R0201 -1335,290 r180 bottom value=22.1
R95 "__Template_Resistor" R0201 -1335,265 r180 bottom value=10K
R96 "__Template_Resistor" R0201 115,230 r270 bottom value=10K
R97 "0" R0402 -435,235 r180 bottom
R98 "0" R0402 -380.01,215 r270 bottom
R99 "__Template_Resistor" R0201 5,210 r90 bottom value=10K
R100 "__Template_Resistor" R0201 -1285,180 r0 bottom value=22.1
R101 "200" R0201 75,140 r0 bottom
R102 "__Template_Resistor" R0201 -1285,130 r0 bottom value=22.1
R103 "__Template_Resistor" R0201 -1335,130 r180 bottom value=10K
R104 "200" R0201 75,90 r0 bottom
R105 "__Template_Resistor" R0201 -1285,80 r0 bottom value=22.1
R106 "__Template_Resistor" R0201 -1335,80 r180 bottom value=10K
R108 "__Template_Resistor" R0201 -1285,30 r0 bottom value=22.1
R109 "__Template_Resistor" R0201 -1335,30 r0 bottom value=68
R110 "__Template_Resistor" R0201 -1285,-20 r0 bottom value=22.1
R111 "__Template_Resistor" R0201 -1335,-20 r180 bottom value=10K
R112 "100" R0402 -830.01,-25 r180 bottom
R114 "100K" R0603 -495.01,-55 r180 bottom
R115 "100K" R0603 -1035,-55 r0 bottom
R116 "100" R0402 -634,-50 r0 bottom
R117 "10K" R0402 -720,-85.01 r270 bottom
R118 "10K" R0402 -810,-85.01 r270 bottom
R119 "__Template_Resistor" R0201 -1285,-70 r0 bottom value=22.1
R120 "100K" R0603 -635.01,-100 r180 bottom
R121 "100K" R0603 -895,-100 r0 bottom
R122 "__Template_Resistor" R0201 45,-105 r0 bottom value=10K
R123 "__Template_Resistor" R0201 -25,-105 r180 bottom value=10K
R124 "__Template_Resistor" R0201 -1285,-115 r0 bottom value=22.1
R125 "100K" R0603 -1115,-135 r0 bottom
R126 "100K" R0603 -415.01,-145 r180 bottom
R127 "10K" R0402 -740,-140 r0 bottom
R128 "10K" R0402 -810,-160 r90 bottom
R129 "100K" R0603 -635.01,-150 r180 bottom
R130 "100K" R0603 -895,-150 r0 bottom
R131 "100K" R0603 -1115,-195 r0 bottom
R132 "100K" R0603 -635.01,-200 r180 bottom
R133 "100K" R0603 -895,-200 r0 bottom
R134 "100K" R0603 -415.01,-205 r180 bottom
R135 "432K" R0402 835,-200.01 r0 bottom
R136 "10K" R0402 -740,-210 r0 bottom
R137 "100K" R0603 -635.01,-250 r180 bottom
R138 "100K" R0603 -895,-250 r0 bottom
R139 "10K" R0402 -720,-265 r90 bottom
R140 "10K" R0402 -775,-265 r90 bottom
R141 "10K" R0402 -810,-265 r90 bottom
R142 "100K" R0603 -490.01,-295 r180 bottom
R143 "100K" R0603 -1045,-295 r0 bottom
R144 "100" R0402 -650,-295 r0 bottom
R145 "100" R0402 -881.01,-295 r180 bottom
R146 "0" R0402 -1400,-375.01 r270 bottom
R147 "__Template_Resistor" R0201 -1150,-425 r270 bottom value=10K
R148 "__Template_Resistor" R0201 -1225,-425 r270 bottom value=10K
R149 "__Template_Resistor" R0201 -1200,-425 r270 bottom value=10K
R150 "__Template_Resistor" R0201 -1275,-425 r270 bottom value=10K
R151 "100" R0402 -785,-480 r90 bottom
R152 "100" R0402 -1025,-480 r90 bottom
R153 "__Template_Resistor" R0201 -1150,-505 r90 bottom value=10K
R154 "__Template_Resistor" R0201 -1200,-505 r90 bottom value=10K
R155 "__Template_Resistor" R0201 -1275,-505 r90 bottom value=10K
R156 "__Template_Resistor" R0201 -1225,-505 r90 bottom value=10K
R157 "0.0015 OHM" R2512#1 930,-685 r180 bottom
R158 "100" R0402 -1115,-780 r90 bottom
R159 "100" R0402 1035,-910 r90 bottom
R160 "0.0015 OHM" R2512#2 382.81,-1232.2 r180 bottom
R161 "0.0015 OHM" R2512#3 -394.15,-1232.2 r180 bottom
R162 "0.0015 OHM" R2512#3 -8.77,-1271.1 r180 bottom
R163 "0" R0402 -500,955 r180 bottom
RT1 "__Template_Thermistor" R0402 -595.01,-930 r180 bottom value=10KOHM
RT2 "__Template_Thermistor" R0402 400,-965 r135 bottom value=10KOHM
RT3 "__Template_Thermistor" R0402 -10,-955 r135 bottom value=10KOHM
SW1 "KSR253GLFG" SW_KSR253GLFG -197.47,1416.52 r187.06 top
SW2 "KSR253GLFG" SW_KSR253GLFG -525.44,1331.16 r201.51 top
SW3 "KSR253GLFG" SW_KSR253GLFG -715,1100 r90 top
T1 "PULSE_H1102NL" PULSE_HXXXX 112.78,1140.4 r0 top value=H1102NL
T2 "PULSE_H1102NL" PULSE_HXXXX -48.38,574.12 r0 top value=H1102NL
TP1 "TP_KEYSTONE_5015" TP_KEYSTONE_5015 -253.33,1271.4 r187.5 top value=5015
TP2 "TP_KEYSTONE_5015" TP_KEYSTONE_5015 -421.99,1224.38 r203.14 top value=5015
TP3 "TEST_KEYSTONE5001" TP_KEYSTONE_5001 -325,620 r315 top value=5001
TP4 "TEST_KEYSTONE5015" TP_KEYSTONE_5015 -860,145 r90 top value=5015
TP5 "TEST_KEYSTONE5015" TP_KEYSTONE_5015 -860,5 r270 top value=5015
TP6 "TEST_KEYSTONE5015" TP_KEYSTONE_5015 -751,-25 r180 top value=5015
TP7 "TEST_KEYSTONE5015" TP_KEYSTONE_5015 -605,-25 r180 top value=5015
TP8 "TEST_KEYSTONE5015" TP_KEYSTONE_5015 325,-165 r180 top value=5015
TP9 "TEST_KEYSTONE5015" TP_KEYSTONE_5015 -975,-220 r90 top value=5015
TP10 "TEST_KEYSTONE5015" TP_KEYSTONE_5015 -580,-245 r90 top value=5015
TP11 "TEST_KEYSTONE5015" TP_KEYSTONE_5015 -1220,-665 r0 top value=5015
TP12 "TEST_KEYSTONE5001" TP_KEYSTONE_5001 -1200,-820 r0 top value=5001
U1 "OPTO_HCPL-817-56CE" OPTO_HCPL-817-56CE 634.99,1105 r90 top value=HCPL-817-56CE
U2 "OPTO_HCPL-817-56CE" OPTO_HCPL-817-56CE 429.99,1105 r90 top value=HCPL-817-56CE
U3 "EEPROM_M24256-DRMF3TG/K" 8WFDFN300X200X80-8-TP -540.01,1105 r180 top value=M24256-DRMF3TG/K
U4 "TPS62933PDRLR" SOT-583 -928.5,1048.84 r0 top
U5 "PROCESSOR_TRINAMIC_TMC8462-BA" BGA121C75P11X11_900X900X145 -580,735 r180 top value=TMC8462-BA
U6 "MCU_STM32H755IIK3" BGS201C65P15X15_1000X1000X60 -580.01,249.99 r0 top value=BGS201C65P15X15_1000X1000X60
U8 "SENSOR_ST_LSM6DSOTR" 14-LGA -55,229.99 r180 top value=LSM6DSOTR
U9 "SENSOR_ST_IIS2MDCTR" 12-LGA 105,230 r180 top value=IIS2MDCTR
U10 "MCP6064" 14TSSOP65 -765,-175 r180 top value=MCP6064-E/ST
U11 "MOTOR_DRIVE_DRV8353RSRGZT" VQFN50P700X700X100-48-TP_TP-CUST_NO_VIAS 70.72,-367.7 r45 top value=DRV8353RSRGZT
U12 "INA240A1DR" "TI SOIC-8 D0008A" -950,-465 r270 top
U13 "INA240A1DR" "TI SOIC-8 D0008A" -710,-465 r270 top
U14 "MCP6064" 14TSSOP65 -1210,-465 r90 top
U15 "TPS72733DSET" 6WSON -1375,-375 r0 top
U16 "INA240A1DR" "TI SOIC-8 D0008A" -1040,-765 r270 top
U17 "MCP6064" 14TSSOP65 900,650 r90 bottom
U18 "TI_TPS54331GDR" SOIC127P600X175-8N -1090,600 r0 bottom value=TPS54331GDR
U19 "MPS_MA732GQ-Z" MPS_MA732GQ-Z 0,0 r180 bottom value=MA732GQ-Z
U20 "INA240A1DR" "TI SOIC-8 D0008A" 865,-1005 r0 bottom
X1 "XTAL_SIT8924BM-72-33N-100.000000" XTAL_SIT8924BM-72-33N-100.000000 -565,995 r0 top value=100MHZ

## Footprints (in the part's own frame and the unit in brackets; to place one, negate y for a bottom-side part, rotate by r counter-clockwise, add the part's x,y. Pads: shape width x height; smd on the part's side, far side on the other; paste and mask are expansions set on the pad)
1.7hole5padRD [mm] "1.7mm hole with 5mm round pad"
  round 5 hole 1.7 paste-2539.97 mask+0.051: 1(0,0)
3.7hole5pad [mm] "3.7mm hole with 5mm pad"
  round 6.5 hole 3.3 paste-2539.97 mask+0.051: 1(0,0)
3SOT23 [mm] "SOT23, 3-Leads, Body 3.0x2.6mm (max), Pitch 1.01mm, IPC High Density"
  rect 0.95x0.6 smd: 1(-1.025,0.95) 2(-1.025,-0.95) 3(1.025,0)
  silkscreen extent -1.15,-1.5 0.7,1.98, body extent -1.25,-1.5 1.25,1.5, height 1.01
3XDFN [mm] "DFN, 3-Leads, Body 0.80x0.60mm, Pitch 0.65mm, IPC Medium Density"
  rect 0.35x0.191 smd mask+0.05: 1(-0.325,0.175) 2(-0.325,-0.175)
  rect 0.35x0.6 smd mask+0.05: 3(0.325,0)
  silkscreen extent -0.7,-0.4 -0.4,0.9, body extent -0.33,-0.43 0.33,0.42, height 0.4
6WSON [mil] "TPS72733DSET  [TI], CREATED BY DN_AV-01DEC22;CHECKED BY DN_QN - 06DEC22"
  rect 11x34 smd mask+2.5: 1(-19.68,-22.84)
  rect 11x30 smd mask+2.5: 2(0,-24.84) 3(19.68,-24.84) 4(19.68,24.84) 5(0,24.84) 6(-19.68,24.84)
  silkscreen extent -35,-38 35,38, body extent -30,-30 30,30, height 31
8WFDFN300X200X80-8-TP [mm]
  rect 0.61x0.27 smd mask+0.05: 1(-1.45,0.75) 2(-1.45,0.25) 3(-1.45,-0.25) 4(-1.45,-0.75) 5(1.45,-0.75) 6(1.45,-0.25) 7(1.45,0.25) 8(1.45,0.75)
  rect 1.25x1.35 smd mask+0.05: 9(0,0)
  silkscreen extent -2.25,-1.06 1.5,1.07, body extent -1.55,-1 1.55,1, height 0.8
12-LGA [mil] "IIS2MDCTR [ST]; COLLECTED BY DN_QN - 08DEC22,CHECKED BY DN_MN-08DEC22"
  rect 19x11 smd mask+1.5: 1(-32.14,29.53) 2(-32.14,9.84) 3(-32.14,-9.84) 4(-32.14,-29.53) 7(32.14,-29.53) 8(32.14,-9.84) 9(32.14,9.84) 10(32.14,29.53)
  rect 11x19 smd mask+1.5: 5(-9.84,-32.14) 6(9.84,-32.14) 11(9.84,32.14) 12(-9.84,32.14)
  silkscreen extent -70,-41 41,41, body extent -39,-39 39,39, height 28
14-LGA [mil] "PN: LSM6DSOTR  ; COLLECTED BY DN_QN - 01DEC22, CHECKED BY DN_AV-06DEC22"
  rect 34x11 smd mask+2.5: 1(-53.42,29.53) 2(-53.42,9.84) 3(-53.42,-9.84) 4(-53.42,-29.53) 8(53.42,-29.53) 9(53.42,-9.84) 10(53.42,9.84) 11(53.42,29.53)
  rect 11x34 smd mask+2.5: 5(-19.68,-43.57) 6(0,-43.57) 7(19.69,-43.57) 12(19.69,43.58) 13(0,43.58) 14(-19.68,43.58)
  silkscreen extent -99,-51 61,51, body extent -61,-51 61,51, height 34
14TSSOP65 [mm] "TSOP, 14-Leads, Body 5.1x4.5mm (max), Pitch 0.65mm, IPC High Density"
  rect 1.25x0.35 smd: 1(-2.825,1.95)
  oval 1.25x0.35 smd: 2(-2.825,1.3) 3(-2.825,0.65) 4(-2.825,0) 5(-2.825,-0.65) 6(-2.825,-1.3) 7(-2.825,-1.95) 8(2.825,-1.95) 9(2.825,-1.3) 10(2.825,-0.65) 11(2.825,0) 12(2.825,0.65) 13(2.825,1.3) 14(2.825,1.95)
  silkscreen extent -2.95,-2.55 1.8,2.8, body extent -3.2,-2.5 3.2,2.5, height 1.2